# KiCad board servo.kicad_pcb (continued)
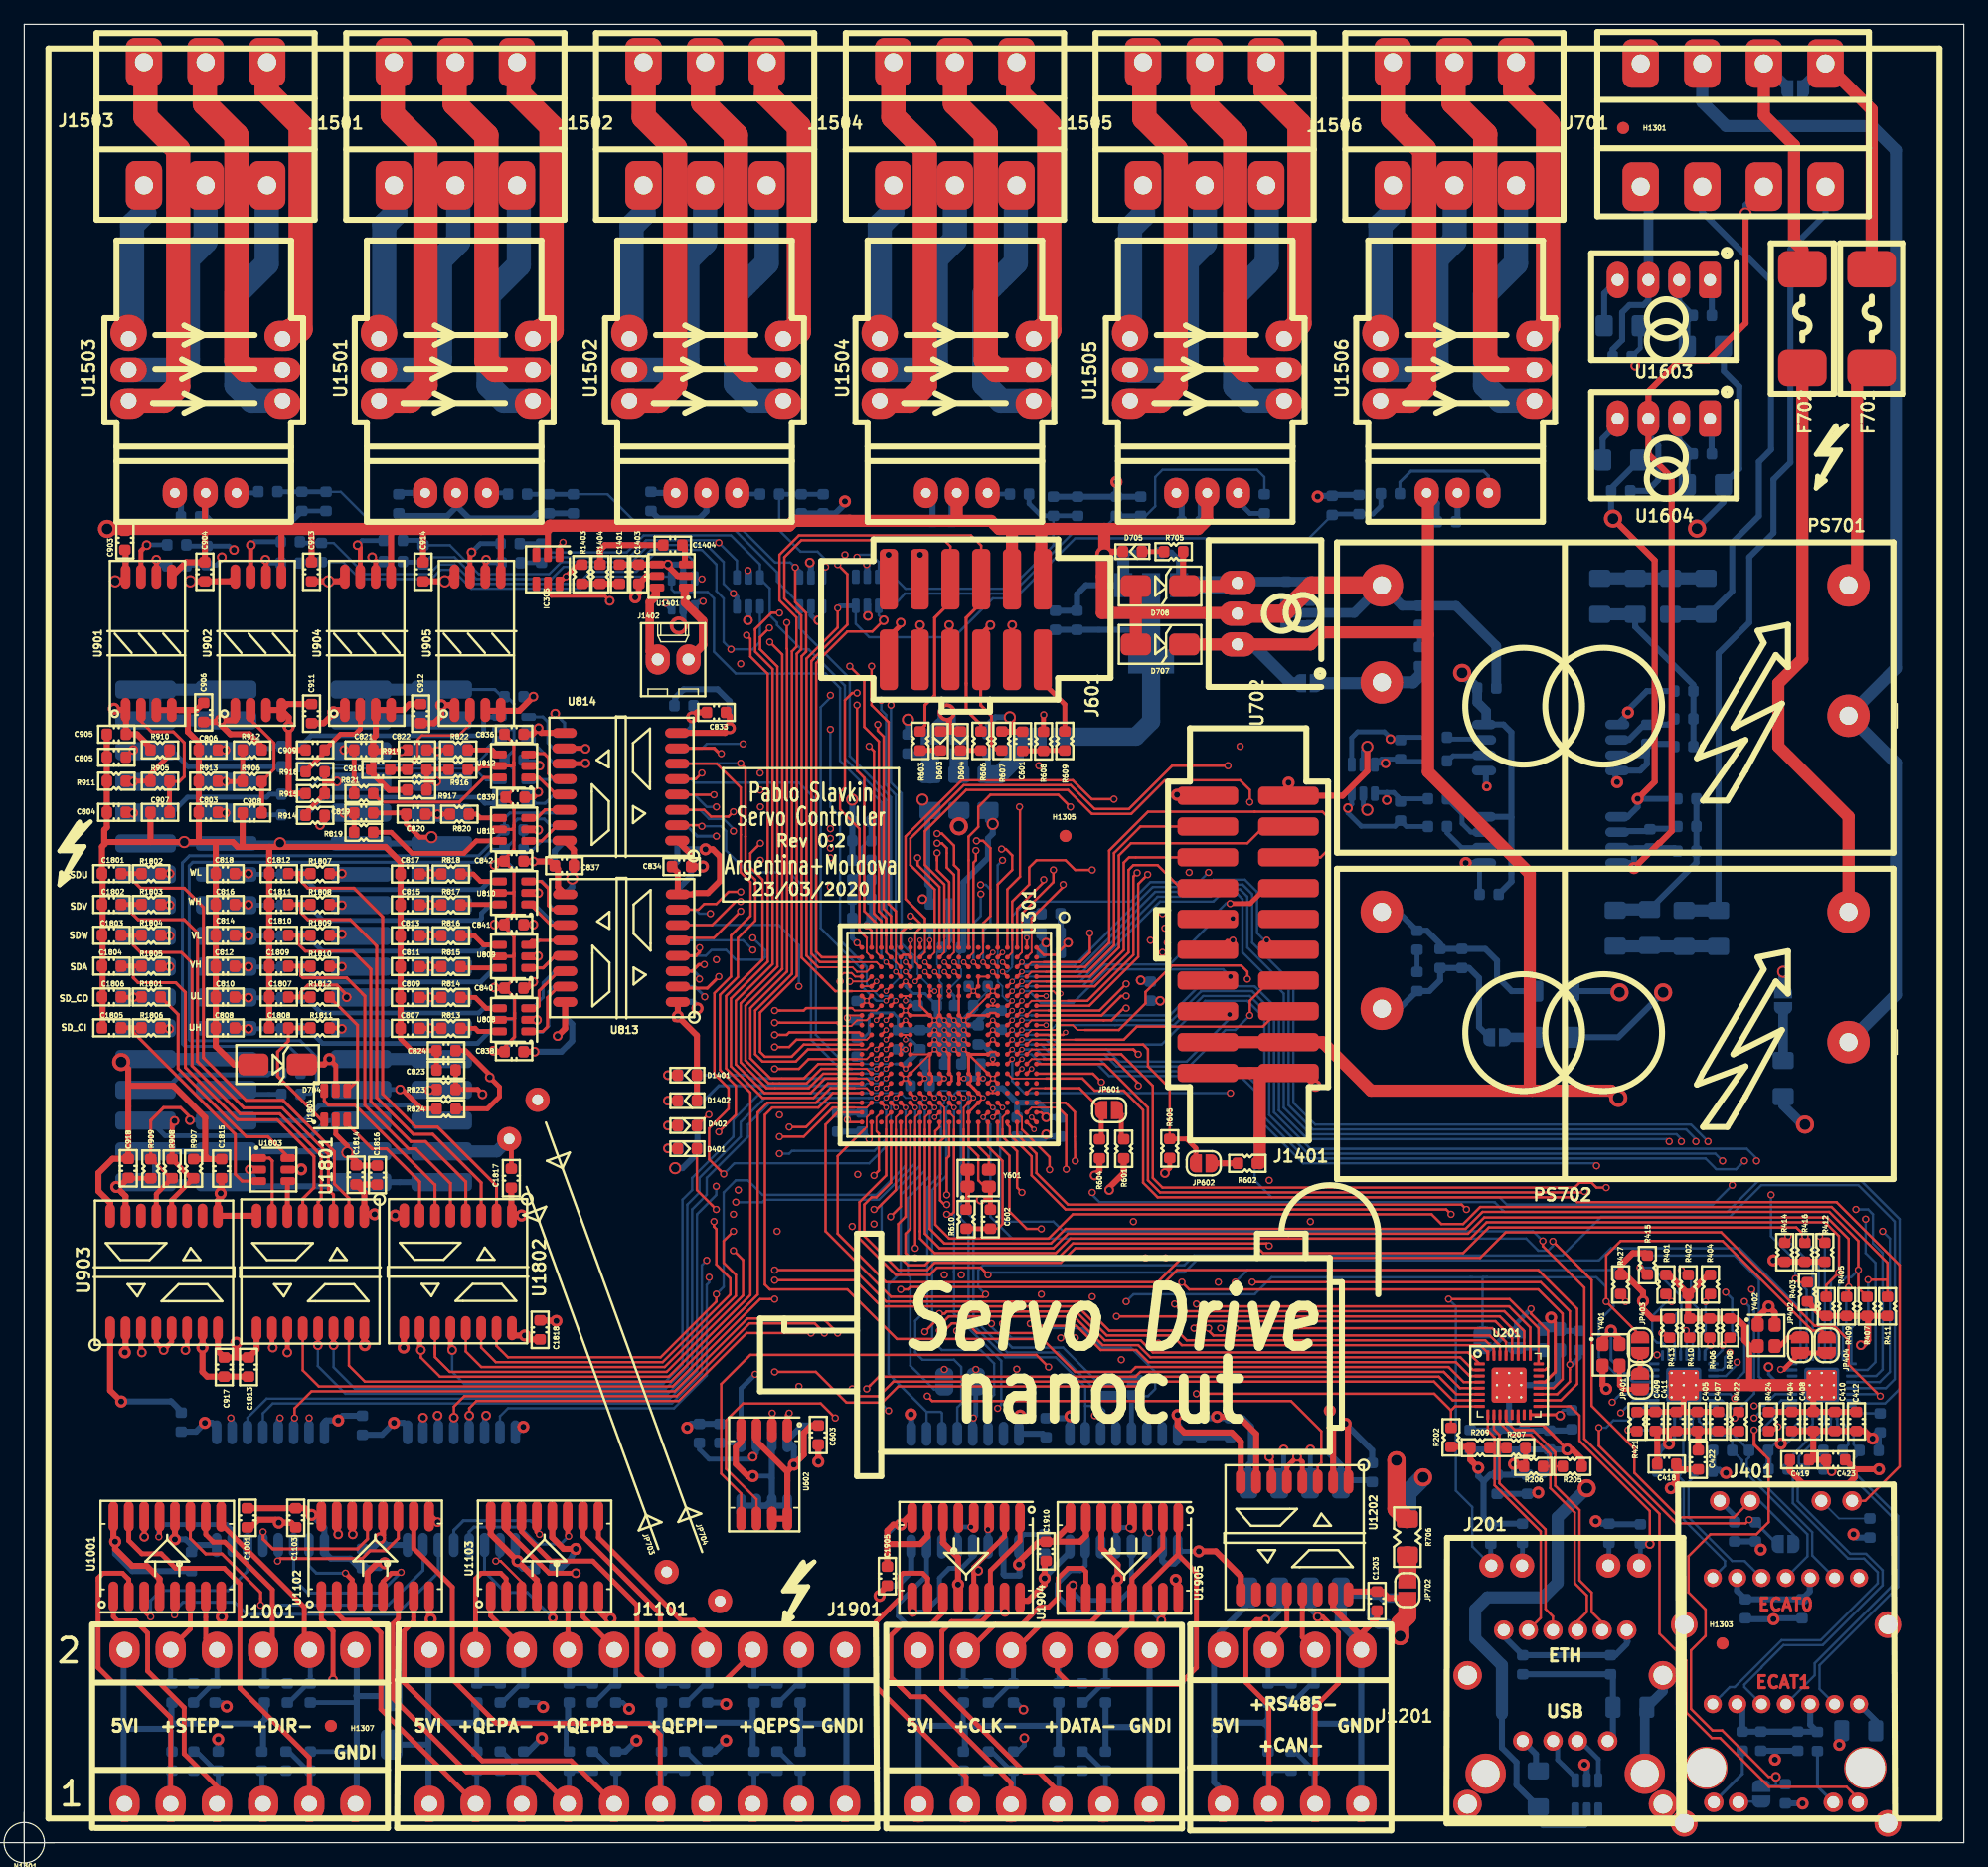
[diagram p0: board, top side]
## Routing (per net, layer and track width the routed paths; a pad name or vN(x,y) marks a point on that pad's centre or on a via; arc(x,y) is an arc through that point) (continued)
/lem/LemAV_6: length 21.8
  Bottom w2: U1501.6 39.58,118.96 38.3,120.24 38.3,127.64 40.8,130.14 40.8,136.56 J1501.6
/lem/LemB_All_1: length 31.9
  Top w2: J1506.3 112.9,146.87 112.9,142.24 115.5,139.64 115.5,120.14 114.32,118.96 U1506.1
/lem/LemB_All_2: length 20.1
  Bottom w2: U1506.2 115.88,121.5 116.5,122.12 116.5,130.64 118,132.14 118,136.7 J1506.5
/lem/LemB_All_3: length 13.1
  Bottom w2: J1506.4 112.9,136.71 112.9,134.44 111.88,133.42 U1506.3
/lem/LemB_All_4: length 24.4
  Top w2: U1506.4 125.7,125.16 125.7,141.74 123,144.44 123,144.84 123.06,144.9 J1506.1
/lem/LemB_All_5: length 30.1
  Top w2: J1506.2 117.9,146.79 117.9,143.54 120.52,140.92 120.52,122.28 121.3,121.5 U1506.5
/lem/LemB_All_6: length 22.1
  Bottom w2: J1506.6 123.06,130.26 120.5,127.7 120.5,120.24 121.78,118.96 U1506.6
/lem/LemBU_1: length 32
  Top w2: J1504.3 71.7,146.87 71.7,142.34 74.3,139.74 74.3,120.24 73.02,118.96 U1504.1
/lem/LemBU_2: length 20.1
  Bottom w2: J1504.5 76.77,132.21 75.2,130.64 75.2,122.13 74.57,121.5 U1504.2
/lem/LemBU_3: length 13.1
  Bottom w2: U1504.3 70.57,133.41 71.6,134.44 71.6,136.62 J1504.4
/lem/LemBU_4: length 24.8
  Top w2: U1504.4 84.02,124.78 84.56,124.78 84.56,141.68 82,144.24 82,146.73 J1504.1
/lem/LemBU_5: length 29.9
  Top w2: J1504.2 76.77,143.47 79.32,140.92 79.32,122.32 80.14,121.5 U1504.5
/lem/LemBU_6: length 22.1
  Bottom w2: U1504.6 80.58,118.96 79.2,120.34 79.2,127.74 81.8,130.34 81.8,136.66 J1504.6
/lem/LemBV_1: length 32.1
  Top w2: J1505.3 92.4,146.77 92.4,142.24 95,139.64 95,120.24 93.72,118.96 U1505.1
/lem/LemBV_2: length 20.2
  Bottom w2: J1505.5 97.4,136.69 97.4,131.94 95.9,130.44 95.9,122.17 95.17,121.44 91.29,121.44 U1505.2
/lem/LemBV_3: length 13.1
  Bottom w2: J1505.4 92.3,134.24 91.23,133.17 U1505.3
/lem/LemBV_4: length 24.5
  Top w2: U1505.4 105.2,125.31 105.2,141.74 102.4,144.54 102.4,146.82 J1505.1
/lem/LemBV_5: length 30.1
  Top w2: J1505.2 97.2,146.7 97.2,143.54 99.9,140.84 99.9,122.34 100.74,121.5 U1505.5
/lem/LemBV_6: length 22.2
  Bottom w2: U1505.6 101.08,118.96 99.9,120.14 99.9,127.64 102.5,130.24 102.5,136.67 J1505.6
/qep/QEP1_A_H: length 7.4
  Top w0.4: v5(26.5,22.24) 27.05,21.69 U1102.3
  Bottom w0.25: 23.5,24.56 23.5,22.85 24.1,22.24 v5(26.5,22.24)
/qep/QEP1_A_N_H: length 32.8
  Top w0.4: U1102.1 24.51,18.44 25.22,17.73 25.22,17.72 25.47,17.47 v4(25.47,13.44)
  In2.Cu w0.4: J1101.3a 41.04,3.46 34.26,10.24 28.67,10.24 v4(25.47,13.44)
  Bottom w0.4: 39.12,7.53 39.32,7.53 ; R1102.2 39.41,7.53 40.99,5.95 R1103.1 41.2,3.37 J1101.3a 40.89,3.35
/qep/QEP1_A_P_H: length 27.5
  Top w0.4: J1101.2a 29.42,11.02 29.42,17.31 28.38,18.35 26.39,18.35 25.78,18.96 U1102.2
  Bottom w0.4: R1102.1 R1101.2 37.34,3.31 J1101.2a
/qep/QEP1_B_H: length 17.6
  Top w0.4: 29.59,19.82 29.59,21.33 ; U1102.5 29.59,21.53 30.3,22.24 31.01,22.24 v5(31.08,22.32)
  Bottom w0.25: v5(31.08,22.32) 29.37,20.6 23.4,20.6 22.22,21.78 U1101.3
/qep/QEP1_B_N_H: length 34.4
  Top w0.4: J1101.5a 45.11,6.76 37.78,6.76 31.34,13.2 31.34,17.48 32.13,18.27 U1102.7
  Bottom w0.4: R1105.2 47.01,7.53 48.59,5.95 R1106.1 48.8,3.35 J1101.5a 48.51,3.35 ; 46.61,7.53 46.81,7.53
/qep/QEP1_B_P_H: length 31.3
  Top w0.4: U1102.6 30.86,18.5 30.4,18.04 30.4,11.94 36.5,5.84 42.22,5.84 J1101.4a
  Bottom w0.4: 44.7,3.35 J1101.4a 44.96,3.31 R1104.2 R1105.1
/qep/QEP1_I_H: length 13.9
  Top w0.25: v5(20.9,23.24) 21.1,23.44 27.88,23.44 28.52,24.09 29.84,24.09 30.86,25.11 30.86,26.92
  Bottom w0.25: U1101.4 20.9,24.51 v5(20.9,23.24)
/qep/QEP1_I_N_H: length 44.2
  Top w0.4: v4(34.1,26.44) 33.4,27.14 33.4,27.17 33.42,27.15
  In2.Cu w0.4: J1101.7a 56.28,4.86 55.1,6.04 49.7,6.04 45.1,10.64 45.1,11.64 42.9,13.84 42.9,17.36 41.42,18.84 38.3,18.84 34.9,22.24 34.9,25.64 v4(34.1,26.44)
  Bottom w0.4: 54.36,7.53 54.56,7.53 ; R1108.2 54.61,7.53 56.19,5.95 R1109.1 56.39,3.31 J1101.7a 56.13,3.35
/qep/QEP1_I_P_H: length 44.4
  Top w0.4: U1102.10 32.13,24.27 35.31,21.09 35.31,13.49 38.96,9.84 51.5,9.84 52.47,8.87 J1101.6a
  Bottom w0.4: J1101.6a 52.58,3.31 R1107.2 R1108.1
/qep/QEP1_S_H: length 12.8
  Top w0.25: 28.32,26.92 28.32,25.06 27.5,24.24 20.5,24.24 19.7,25.04 v5(19.7,25.64)
  Bottom w0.25: U1101.5 19.67,24.57 19.67,24.86 v5(19.7,25.64)
/qep/QEP1_S_N_H: length 62.5
  Top w0.4: 25.78,26.16 U1102.15 25.78,25.56 v4(25.9,25.44)
  In2.Cu w0.4: v4(25.9,25.44) 25.9,26.64 27.2,27.94 37.95,27.94 45.65,20.24 49.3,20.24 50.56,18.98 50.56,13.38 53.3,10.64 58.37,10.64 63.9,5.11 J1101.9a
  Bottom w0.4: R1111.2 62.21,7.53 63.79,5.95 R1112.1 64.01,3.31 J1101.9a
/qep/QEP1_S_P_H: length 56.6
  Top w0.4: v4(27.1,25.44) 27.05,25.49 U1102.14 27.05,26.34
  In2.Cu w0.4: J1101.8a 60.09,3.46 55.5,8.05 53.49,8.05 51.9,9.64 48.7,9.64 46.7,11.64 46.7,17.34 44,20.04 39.3,20.04 36.5,22.84 36.5,25.84 35.1,27.24 28.5,27.24 27.1,25.84 v4(27.1,25.44)
  Bottom w0.4: 59.94,3.35 J1101.8a 60.2,3.31 R1110.2 R1111.1
/qep/QEP2_A_H: length 5.7
  Top w0.2: U1103.3 41.02,21.52 39.3,23.24 v5(38.9,23.24)
  Bottom w0.2: v5(38.9,23.24) 39.24,23.58 U1104.2
/qep/QEP2_A_N_H: length 10.6
  Top w0.4: U1103.1 38.48,18.72 41.04,16.16 J1101.3b
  Bottom w0.4: J1101.3b 41.2,15.75 R1124.1 41,13.14 39.43,11.57 R1123.2
/qep/QEP2_A_P_H: length 15.2
  Top w0.4: J1101.2b 37.23,21.77 37.7,22.24 39.3,22.24 39.75,21.79 U1103.2
  Bottom w0.4: J1101.2b 37.34,15.8 R1122.2 R1123.1
/qep/QEP2_B_H: length 11.1
  Top w0.4: v6(43.6,18.54) 43.56,19.02 U1103.5
  Bottom w0.25: v6(43.6,18.54) 41.5,20.64 39.7,20.64 37.97,22.37 U1104.3 ; 43.5,18.64 43.7,18.64
/qep/QEP2_B_N_H: length 10.6
  Top w0.4: U1103.7 46.1,18.64 48.66,16.08 J1101.5b
  Bottom w0.4: J1101.5b 48.8,15.77 R1121.1 48.6,13.14 47.03,11.57 R1120.2
/qep/QEP2_B_P_H: length 8.9
  Top w0.4: J1101.4b 44.85,20.05 U1103.6
  Bottom w0.4: R1120.1 R1119.2 44.96,15.8 J1101.4b
/qep/QEP2_I_H: length 12.2
  Top w0.4: v5(44.91,25.29) 44.83,25.36 U1103.11
  Bottom w0.25: v5(44.91,25.29) 44.26,24.64 42.3,24.64 40.9,26.04 37.1,26.04 36.7,25.64 U1104.4
/qep/QEP2_I_N_H: length 20.9
  Top w0.4: J1101.7b 56.28,17.26 55.2,18.34 54.2,18.34 47.37,25.17 U1103.9
  Bottom w0.4: J1101.7b 56.39,15.8 R1118.1 56.2,13.14 54.63,11.57 R1117.2
/qep/QEP2_I_P_H: length 18.6
  Top w0.4: J1101.6b 52.47,18.89 46.1,25.26 U1103.10
  Bottom w0.4: J1101.6b 52.58,15.8 R1116.2 R1117.1
/qep/QEP2_S_H: length 11.2
  Top w0.25: 42.21,27.09 U1103.13
  Top w0.4: v5(42.5,25.44) 42.29,25.65 U1103.13
  Bottom w0.25: U1104.5 35.43,25.77 36.22,26.56 41.78,26.56 42.5,25.84 v5(42.5,25.44)
/qep/QEP2_S_N_H: length 35.1
  Top w0.4: v4(45.5,22.24) 43.3,22.24 39.75,25.79 U1103.15
  In2.Cu w0.4: J1101.9b 63.9,16.16 61.82,18.24 53.1,18.24 49.1,22.24 v4(45.5,22.24)
  Bottom w0.4: J1101.9b 64,15.81 64,13.14 63.8,13.14 62.23,11.57 R1114.2
/qep/QEP2_S_P_H: length 34.8
  Top w0.4: U1103.14 41.02,25.67 43.45,23.24 46.9,23.24 50.55,19.59 50.55,14.02 51.2,13.37 57.8,13.37 60.09,15.66 J1101.8b
  Bottom w0.4: R1114.1 R1113.2 60.2,15.8 J1101.8b
/step_dir/DIR1_A_N_H: length 38.8
  Top w0.4: U1001.15 8.62,24.92 9.7,23.84 11.3,23.84 12.5,22.64 16.5,22.64 17.79,21.35 17.79,12.75 23.52,7.03 J1001.5a
  Bottom w0.4: R1005.2 21.81,7.53 23.39,5.95 R1006.1 23.6,3.29 J1001.5a
/step_dir/DIR1_A_P_H: length 34.7
  Top w0.4: v4(9.9,25.24) 9.89,25.25 U1001.14
  In2.Cu w0.4: v4(9.9,25.24) 9.9,24.04 11.9,22.04 15.1,22.04 17.79,19.35 17.79,12.75 19.7,10.84 J1001.4a
  Bottom w0.4: J1001.4a 19.6,3.31 R1004.2 R1005.1
/step_dir/DIR2_A_N_H: length 19.6
  Top w0.4: U1001.9 16.25,26.29 23.1,19.43 23.1,16.32 J1001.5b
  Bottom w0.4: J1001.5b 23.6,15.82 R1009.1 23.4,13.14 21.83,11.57 R1008.2
/step_dir/DIR2_A_P_H: length 19.1
  Top w0.4: U1001.10 14.97,25.43 15.6,24.8 16.54,24.8 20.47,20.87 20.47,16.67 J1001.4b
  Bottom w0.4: R1008.1 R1007.2 19.81,15.8 J1001.4b
/step_dir/STEP1_N_H: length 26.7
  Top w0.4: 7.36,20.05 7.36,18.65 7.7,18.3 9.17,18.3 10.18,17.29 10.18,14.16 13.2,11.14 13.2,7.34 15.89,4.65 J1001.3a
  Bottom w0.4: J1001.3a 16,3.31 R1003.1 15.79,5.95 14.21,7.53 R1002.2
/step_dir/STEP1_P_H: length 32.9
  Top w0.4: 6.1,21.64 6.1,14.45 7.3,13.24 9.16,13.24 12.08,10.31 J1001.2a ; 8.62,21.37 U1001.2 8.62,21.72 8.1,22.24 6.5,22.24 6.1,21.84 6.1,21.64
  Bottom w0.4: J1001.2a 12,3.29 12,5.95 R1002.1
/step_dir/STEP2_N_H: length 10.5
  Top w0.152: 16.38,16.39 J1001.3b
  Top w0.4: U1001.7 14.97,16.83 J1001.3b
  Bottom w0.4: R1011.2 14.03,11.57 15.6,13.14 R1012.1 15.89,13.29 J1001.3b
/step_dir/STEP2_P_H: length 9.4
  Top w0.4: J1001.2b 12.08,16.02 13.7,17.64 U1001.6
  Bottom w0.4: R1010.2 R1011.1 ; 12.19,13.17 12.08,13.28 J1001.2b
/uc_adc/ADC_REFH: length 20.7
  Top w0.152: U301.W5 U301.V5
  Top w0.2: v5(69.5,75.64) 69.9,75.24 U301.V1 ; U301.V5 v2(70.31,71.05) ; U301.R1 72.3,75.04
  Top w0.25: v5(73.1,75.64) 72.9,75.64 72.3,75.04
  In3.Cu w0.5: v5(69.5,75.64) 69.51,75.65 73.09,75.65 v5(73.1,75.64)
  Vcc.Cu w0.5: v2(70.31,71.05) 70.22,71.05 69.5,71.77 v5(69.5,75.64) 69.5,74.64
  Bottom w0.4: v5(69.5,75.64) 69.5,75.85 C301.1 C302.1 R302.1 R301.1
/uc_clk_dbg/F2838x_CLK: length 4.3
  Top w0.2: U301.G19 78.7,57.45 79.58,56.58 Y601.3
/uc_clk_dbg/MCU_TCK: length 66.7
  Top w0.152: U301.V15 69.5,63.04 68.7,63.04
  Top w0.2: 68.7,63.04 66.04,63.04 64.88,61.85 64.88,61.84 61.07,61.84 58.7,64.21 58.7,69.44 61.73,72.47 61.73,96.81 60.3,98.24 60.29,100.01 60.29,100.11 61.65,101.47 v5(62.3,101.44)
  Top w0.4: v4(72.3,100.64) 72.3,100.44 71.32,99.46 J601.1
  In2.Cu w0.2: v4(72.3,100.64) 71.66,100 64.74,100 63.3,101.44 v5(62.3,101.44)
/uc_clk_dbg/MCU_TDI: length 61.7
  Top w0.2: v5(62.9,100.64) 62.9,98.5 62.93,98.47 62.93,71.87 59.9,68.84 59.9,64.7 61.56,63.04 62.47,63.04 64.3,63.04 65.5,64.24 U301.W13 ; v4(73.9,100.44) 73.86,100.4 J601.3
  In2.Cu w0.2: v4(73.9,100.44) 73.9,100.24 73.3,99.64 63.7,99.64 62.9,100.44 v5(62.9,100.64)
/uc_clk_dbg/MCU_TDO: length 75.8
  Top w0.2: v5(59.6,99.6) 59.9,99.3 59.9,98.44 59.9,97.84 61.33,96.41 61.33,72.67 58.3,69.64 58.3,64.04 60.9,61.44 65.1,61.44 66.3,62.64 U301.W15 ; 81.48,100.42 v4(81.5,100.44)
  Top w0.4: J601.9 81.48,100.42
  In2.Cu w0.2: v4(81.5,100.44) 81.5,99.64 80.1,98.24 61.1,98.24 59.74,99.6 v5(59.6,99.6)
/uc_clk_dbg/MCU_TMS: length 67.5
  Top w0.2: v5(61.47,100.21) 60.7,99.44 60.7,98.44 60.7,98.44 62.13,97.01 62.13,72.27 59.1,69.24 59.1,64.37 61.23,62.24 64.71,62.24 65.91,63.44 U301.W14 ; 76.4,100.34 v4(76.3,100.44)
  Top w0.4: J601.5 76.4,100.34
  In2.Cu w0.2: v4(76.3,100.44) 76.3,100.04 75.5,99.24 62.7,99.24 61.73,100.21 v5(61.47,100.21)
/uc_clk_dbg/MCU_TRSTn: length 78.7
  Top w0.152: 68.3,63.84 69.5,63.84 U301.V14
  Top w0.2: v5(61.5,99.04) 62.53,98.01 62.53,72.07 ; 62.53,72.07 62.5,72.04 ; 62.53,72.07 59.5,69.04 59.5,64.54 61.4,62.64 62.3,62.64 64.54,62.64 65.74,63.84 68.3,63.84
  Top w0.25: J601.7 78.9,98.33 78.9,93.84 79.79,92.95 79.79,90.55 80.24,90.1 R607.1
  Top w0.4: J601.7 78.94,99.68 v4(79.7,100.44)
  In2.Cu w0.2: v4(79.7,100.44) 78.06,98.8 61.74,98.8 v5(61.5,99.04)
/uc_clk_dbg/MCU_XRSn: length 12.1
  Top w0.2: C602.1 80.31,50.65 80.7,51.04 80.7,56.24 79.5,57.44 U301.F19
  Top w0.4: C602.1 R610.2
/ui/speaker+: length 6.5
  Top w0.5: 52.1,103.44 U1401.6
  Top w0.7: J1402.2 51.6,98.26 51.6,102.34 52.1,102.84 52.1,103.44
/ui/speaker-: length 7.1
  Top w0.6: 54.5,103.44 U1401.1
  Top w0.7: J1402.1 56,98.8 56,100.8 54.5,102.3 54.5,103.44
BOOT1: length 9.5
  Top w0.152: 84.2,62.24 83.1,62.24 U301.B16
  Top w0.2: 84.2,62.24 87.05,62.24 JP601.1
  Top w0.4: JP601.1 88.85,58.18 R604.2
BOOT2: length 21
  Top w0.2: 94.5,58.29 94.5,62.24 92.7,64.04 92.7,65.44 92.3,65.84 U301.A11
  Top w0.4: JP602.1 96.65,57.29 95.89,58.05 R605.2
BRK_MEC1: length 38.2
  Top w0.2: U301.U13 v2(70.3,63.84)
  Bottom w0.2: U802.4 55.03,87.71 55.3,87.44 63.9,87.44 65.3,86.04 65.3,66.64 68.1,63.84 v2(70.3,63.84)
BRK_MEC1_H: length 11.9
  Top w0.25: C804.2 8.95,84.99 v4(9,84.94)
  Bottom w0.152: J1704.25 10.7,84.85 10.7,84.74
  Bottom w0.4: R809.2 20.24,86.49 20,86.24 13.47,86.24 12.19,84.96 J1704.25
BRK_MEC2: length 34.4
  Top w0.2: U301.T13 v2(71.1,63.84) ; v5(55.9,83.84) 55.81,83.93 U814.2
  Bottom w0.152: 69.5,63.46 70.7,63.44 v2(71.1,63.84)
  Bottom w0.2: 69.5,63.46 67.68,63.46 64.9,66.24 64.9,78.24 63.1,80.04 59.7,80.04 57.9,81.84 57.9,83.44 57.5,83.84 v5(55.9,83.84)
BRK_MEC2_H: length 2.2
  Top w0.25: C819.2 26.6,84.94
  Top w0.4: C819.2 R819.1
  vias: v4(26.4,84.94)
BRK_RES1: length 45.3
  Top w0.152: U301.C2 82.3,73.44 82.3,75.24
  Top w0.2: v5(84.9,80.24) 84.9,79.24 82.3,76.64 82.3,75.24
  In2.Cu w0.2: v5(84.9,80.24) 84.9,81.04 78.7,87.24 65.9,87.24 62.9,84.24 57.7,84.24 57.1,84.84 v5(57.1,85.44)
  Bottom w0.2: v5(57.1,85.44) 56.3,85.44 55.3,86.44 U802.5
BRK_RES1_H: length 7.3
  Top w0.25: v4(16.6,84.94) 16.55,84.99 C803.2
  Bottom w0.152: J1704.26 15.94,85.04 17.1,85.04
  Bottom w0.4: R810.2 16.04,84.79 J1704.26
BRK_RES2: length 43
  Top w0.2: v5(58.5,85.04) 58.1,84.64 56.65,84.64 56.09,85.2 U814.3 ; U301.D1 81.1,78.64 82.15,79.68 82.15,85.4 v5(82.1,85.44)
  In2.Cu w0.2: v5(58.5,85.04) 59.7,86.24 62.9,86.24 64.7,88.04 79.5,88.04 v5(82.1,85.44)
BRK_RES2_H: length 2
  Top w0.4: R820.1 v4(34.1,84.84) C820.2
CAN_RX: length 68.7
  Top w0.2: U301.T11 v2(71.1,65.44)
  In2.Cu w0.152: 83.7,65.04 79.1,65.04
  In2.Cu w0.2: v5(102.7,54.64) 101.7,53.64 91.9,53.64 86.3,59.24 86.3,62.44 83.7,65.04 ; 79.1,65.04 77.9,63.84 74.5,63.84 73.86,64.48 72.26,64.48 71.3,65.44 v2(71.1,65.44)
  In3.Cu w0.2: 103.9,32.64 103.9,53.44 v5(102.7,54.64)
  Bottom w0.2: 103.53,29.9 103.9,30.27 103.9,32.64
  Bottom w0.4: v4(103.9,32.44) 103.9,30.01 U1201.2
CAN_TX: length 78.5
  Top w0.2: U301.U11 v2(70.3,65.44)
  In2.Cu w0.2: v5(70.1,51.04) 70.7,51.04 70.9,50.84 75.5,50.84 76.3,50.04 97.9,50.04 99.1,51.24 v5(106.1,51.24)
  In3.Cu w0.2: v5(70.1,51.04) 69.9,51.04 69.3,51.64 69.3,52.84 71.1,54.64 71.1,58.24 69.5,59.84 69.5,65.04 69.9,65.44 v2(70.3,65.44) ; v4(106.1,32.44) v5(106.1,51.24)
  Bottom w0.2: 106.07,29.9 106.1,29.93 v4(106.1,32.44)
  Bottom w0.4: U1201.3 106.1,29.67 v4(106.1,32.44)
DACB_DBG: length 77.8
  Top w0.2: U301.T1 71.5,76.44 70.9,77.04 70.9,91.24 70.41,91.73 v5(70.41,92.24)
  Top w0.25: v5(44.44,107.27) 44.15,106.98 44.15,106.14
  Top w0.4: R608.1 84.09,93.03 v5(84.1,93.04)
  In2.Cu w0.2: v5(44.44,107.27) 45.27,106.44 58.5,106.44 59.1,107.04 66.9,107.04 v5(67.7,106.24) ; v5(70.41,92.24) 70.5,92.24 71.9,90.84 82.7,90.84 84.1,92.24 v5(84.1,93.04)
  In3.Cu w0.2: v5(70.41,92.24) 68.9,92.24 67.3,93.84 67.3,98.04 67.9,98.64 67.9,106.04 v5(67.7,106.24)
DACB_DBG_OUT: length 7.4
  Top w0.4: 85.84,91.74 85.84,93.9 84.02,95.72 J601.11
DIR1: length 90.7
  Top w0.152: U301.C18 82.3,59.84 82.3,58.84
  Top w0.2: 82.3,58.84 84.58,56.56 v5(84.58,55.52)
  In2.Cu w0.2: 83.9,45.08 83.26,44.44 74.9,44.44 73.9,43.44 61.47,43.44 55.87,37.84 18.3,37.84 17.04,36.58 17.04,35.31
  In3.Cu w0.2: v5(84.58,55.52) 84.7,55.4 84.7,46.04 v5(83.9,45.24)
  Bottom w0.152: 17.14,35.2 U1101.10
  Bottom w0.4: U1101.10 17.14,34.93 v5(17.04,35.04)
DIR1_H: length 10.2
  Top w0.152: 11.2,27.12 U1001.13
  Top w0.4: v5(11.1,25.24) 11.17,25.3 U1001.13
  Bottom w0.4: v5(11.1,25.24) 11.1,25.84 11.5,26.24 16.7,26.24 17.14,25.8 U1101.7
DIR2: length 81.7
  Top w0.152: U301.A17 85.27,61.04
  Top w0.2: 85.27,61.04 85.9,61.04 86.67,60.27 86.67,58.24 v5(86.7,56.24)
  In2.Cu w0.2: v5(86.7,41.64) 85.9,42.44 83.7,42.44 82.1,40.84 60.7,40.84 56.5,36.64 34.47,36.64 v4(32.9,35.07)
  In3.Cu w0.2: v5(86.7,56.24) 86.67,41.67 v5(86.7,41.64)
  Bottom w0.152: 32.9,35.04 32.89,35.05 U1104.10
  Bottom w0.4: v4(32.9,35.07) 32.89,35.06 U1104.10
DIR2_H: length 27.4
  Top w0.25: U1001.11 13.7,25.09 14.97,23.83 16.32,23.83 19.5,20.64 v5(19.5,19.6)
  Bottom w0.25: U1104.7 32.89,22.48 30.01,19.6 v5(19.5,19.6)
Earth: length 158.7
  GND.Cu w0.4: J401.24 153.75,17.99 154.5,17.24
  GND.Cu w0.8: J201.19 119.06,4.2 J201.17 ; J201.20 135.36,3.19
  GND.Cu w1: 119.2,3.04 J201.19 121,1.24 135.1,1.24 ; 135.1,1.24 153.9,1.24 154.5,1.84 154.5,6.04 ; 135.1,1.24 135.19,1.33 J201.20 133.69,4.69 J201.18 134.17,6.18 J401.25 ; 154.5,11.44 154.5,6.04 ; 154.5,11.44 154.5,11.44 J401.7 J401.14 ; 154.5,11.44 154.5,14.44 154.5,14.44 154.5,54.84 151.7,57.64 148.5,57.64 v1(146.9,59.24) ; 154.5,6.04 154.37,6.18 J401.26 ; J201.5 136.94,15.57 J401.23 ; J201.17 120.9,6.04 120.9,11.97 J201.6
  Bottom w0.5: C434.2 152.73,10.06 J401.7
  Bottom w0.8: J201.5 135.18,12.49 133.69,11 J201.18 ; R708.2 145.1,60.84 146.7,59.24 v1(146.9,59.24)
ECAT0_RJ_LED0: length 96.5
  Top w0.2: U301.F18 v2(79.1,59.84) ; J401.20 141.05,26.84 136.5,26.84 132.83,30.51 132.83,32.51 129.3,36.04 129.3,46.41 v5(126.1,49.61)
  Bottom w0.2: v2(79.1,59.84) 79.7,59.24 79.7,51.64 81.5,49.84 123.9,49.84 124.9,48.84 125.7,48.84 126.1,49.24 v5(126.1,49.61) ; 142.74,28.2 J401.20 143.14,28.2 145.95,25.39 JP405.1
ECAT0_RJ_LED1: length 105.4
  Top w0.152: U301.D14 81.5,63.04 84.3,63.04
  Top w0.2: 84.3,63.04 87.3,63.04 88.3,62.04 90.7,62.04 92.3,60.44 92.3,54.44 93.5,53.24 127.7,53.24 128.1,52.84 149.5,52.84 154.7,47.64 154.7,31.04 151.86,28.2 J401.22
ECAT0_RX_CLK: length 81.3
  Top w0.2: 90.7,69.84 v5(90.9,69.84) 90.48,69.84 88.88,68.24 U301.A8
  In2.Cu w0.2: v5(134.7,40.24) 134.3,40.64 94.13,40.64 v5(93.56,41.21)
  In3.Cu w0.2: v5(90.9,69.84) 95.1,65.64 95.1,52.24 93.56,50.7 v5(93.56,41.21)
  Bottom w0.2: v5(134.7,40.24) 134.75,40.19 U402.25
ECAT0_RX_D0: length 93.8
  Top w0.2: U301.C5 v2(82.3,71.04) ; R402.1 136.86,47.24 v5(136.7,47.24)
  In3.Cu w0.2: v5(136.7,57.84) v5(136.7,47.24)
  Bottom w0.2: v5(136.7,47.24) 137.5,46.44 137.5,44.64 138.1,44.04 138.1,42.44 137.65,41.99 U402.30 ; v2(82.3,71.04) 87.1,71.04 93.7,77.64 98.1,77.64 98.7,78.24 100.1,78.24 100.5,77.84 100.5,73.44 103.9,70.04 103.9,60.64 106.1,58.44 136.3,58.44 136.7,58.04 v5(136.7,57.84)
ECAT0_RX_D1: length 95.9
  Top w0.152: R404.1 139.1,45.04 v5(138.7,44.64)
  Top w0.2: U301.D5 v2(81.5,71.04)
  In3.Cu w0.2: v5(138.7,44.64) 138.7,46.64 137.9,47.44 v5(137.9,57.84)
  Bottom w0.152: 83.3,71.44 81.9,71.44 v2(81.5,71.04)
  Bottom w0.2: U402.31 138.15,41.69 138.7,42.24 v5(138.7,44.64) ; v5(137.9,57.84) 137.9,58.04 137.1,58.84 106.3,58.84 104.3,60.84 104.3,70.44 100.9,73.84 100.9,78.04 100.3,78.64 98.5,78.64 97.9,78.04 93.5,78.04 86.9,71.44 83.3,71.44
ECAT0_RX_D2: length 96.3
  Top w0.2: U301.C4 v2(82.3,71.84) ; R406.1 139.1,41.6 v5(139.1,41.04)
  In3.Cu w0.2: v5(139.1,41.04) 139.5,41.44 139.5,47.44 138.5,48.44 138.5,57.44 v5(138.9,57.84)
  Bottom w0.152: 138.7,40.24 U402.32
  Bottom w0.2: v2(82.3,71.84) 86.7,71.84 93.3,78.44 97.7,78.44 98.3,79.04 100.5,79.04 101.3,78.24 101.3,74.24 104.7,70.84 104.7,61.04 106.5,59.24 137.5,59.24 v5(138.9,57.84) ; v5(139.1,41.04) 138.65,40.59 U402.32
ECAT0_RX_D3: length 104.3
  Top w0.152: v5(140.1,41.04) 140.1,41.06
  Top w0.2: U301.D4 v2(80.7,71.84) ; R408.1 140.7,41.64 v5(140.1,41.04)
  In2.Cu w0.2: v5(98.5,46.24) 99.3,45.44 126.3,45.44 128.7,43.04 138.5,43.04 140.1,41.44 v5(140.1,41.04)
  In3.Cu w0.2: v5(97.7,80.04) 98.3,79.44 98.3,47.44 98.5,47.24 v5(98.5,46.24)
  Bottom w0.152: 81.5,72.44 81.5,72.24 81.1,71.84 v2(80.7,71.84)
  Bottom w0.2: v5(97.7,80.04) 96.9,79.24 92.9,79.24 91.3,77.64 82.7,77.64 81.5,76.44 81.5,72.44 ; v5(140.1,41.04) 140.1,40.64 139.34,39.87 U402.1
ECAT0_RX_DV: length 97.5
  Top w0.152: v5(135.9,44.64) 135.43,45.11 R401.1
  Top w0.2: U301.D9 v2(81.5,67.84)
  In3.Cu w0.152: 135.9,55.84 v5(135.9,44.64)
  In3.Cu w0.2: v5(135.9,44.64) 135.9,56.84 135.7,57.04 v5(135.7,57.84)
  Bottom w0.152: 83.1,68.24 81.9,68.24 v2(81.5,67.84)
  Bottom w0.2: 83.1,68.24 94.5,68.24 96.9,70.64 101.5,70.64 103.5,68.64 103.5,60.41 105.87,58.04 135.5,58.04 v5(135.7,57.84) ; U402.26 135.65,40.72 135.13,41.24 134.7,41.24 134.3,41.64 134.3,43.44 135.5,44.64 v5(135.9,44.64)
ECAT0_RX_ER: length 84.2
  Top w0.152: 84.5,68.64 83.1,68.64 U301.B8
  Top w0.2: v5(90.9,70.84) 88.7,68.64 84.5,68.64
  Top w0.4: 133.88,46.87 v5(133.3,47.44)
  In2.Cu w0.2: v5(94.16,48.24) 94.96,47.44 v5(133.3,47.44)
  In3.Cu w0.2: v5(90.9,70.84) 95.5,66.24 95.5,52.04 94.16,50.7 v5(94.16,48.24)
  Bottom w0.2: v5(133.3,47.44) 134.3,47.44 136.7,45.04 136.7,44.04 136.3,43.64 136.3,42.04 136.65,41.69 U402.28
ECAT0_TX_CLK: length 98.3
  Top w0.152: 87.5,67.04 86.9,67.04 86.5,67.44 85.5,67.44 85.1,67.04 83.1,67.04 U301.B10
  Top w0.2: 87.5,67.04 90.3,67.04 92.5,69.24 92.5,70.17 94.69,72.36 100.38,72.36 100.9,71.84 v5(100.9,71.24)
  In2.Cu w0.2: v5(98.7,42.44) 98.7,41.84 99.5,41.04 137.3,41.04 138.1,40.24 140.5,40.24 v5(140.7,40.44)
  In3.Cu w0.2: v5(98.7,42.44) 98.7,43.44 99.1,43.84 99.1,47.64 98.7,48.04 98.7,66.44 98.7,69.46 100.48,71.24 v5(100.9,71.24)
  Bottom w0.2: v5(140.7,40.44) 140.3,40.04 140.3,39.24 140.06,39 U402.2
ECAT0_TX_D0: length 91
  Top w0.2: U301.C10 v2(82.3,67.04)
  In3.Cu w0.2: v5(140.36,45.41) 140.06,45.71 140.06,55.78 v5(140.1,56.24)
  Bottom w0.152: 85.1,67.44 84.7,67.04 v2(82.3,67.04)
  Bottom w0.2: 85.1,67.44 89.97,67.44 94.87,67.44 97.27,69.84 101.1,69.84 102.7,68.24 102.7,60.04 105.9,56.84 139.5,56.84 v5(140.1,56.24) ; v5(140.36,45.41) 140.9,44.87 140.9,42.24 141.9,41.24 141.9,38.84 141.06,38 U402.4
ECAT0_TX_D1: length 95.3
  Top w0.2: U301.D10 v2(81.5,67.04)
  In3.Cu w0.2: v5(141.9,44.64) 141.96,44.7 v5(141.9,56.24)
  Bottom w0.152: v2(81.5,67.04) 81.9,66.64 83.1,66.64
  Bottom w0.2: U402.5 141.56,37.5 142.3,38.24 142.3,44.24 v5(141.9,44.64) ; 83.1,66.64 84.5,66.64 85.3,65.84 93.83,65.84 97.43,69.44 100.9,69.44 102.3,68.04 102.3,59.84 105.7,56.44 138.7,56.44 139.58,55.56 141.22,55.56 v5(141.9,56.24)
ECAT0_TX_D2: length 89.5
  Top w0.152: 85.1,67.84 83.1,67.84 U301.B9
  Top w0.2: v5(90.9,68.84) 90.7,68.84 89.7,67.84 89.04,67.84 85.1,67.84
  In2.Cu w0.2: v5(141.1,36.64) 141.1,37.64 142.1,38.64 142.1,40.44 139.1,43.44 129.1,43.44 126.7,45.84 102.9,45.84 101.7,47.04 93.7,47.04 v5(92.5,48.24)
  In3.Cu w0.2: v5(92.5,48.24) 92.5,58.47 93.1,59.07 93.1,66.64 v5(90.9,68.84)
  Bottom w0.2: v5(141.1,36.64) 140.74,37 U402.6
ECAT0_TX_D3: length 98.2
  Top w0.2: U301.C9 v2(82.3,67.84)
  In3.Cu w0.2: v5(142.5,45.64) 142.5,55.84 v5(142.9,56.24)
  Bottom w0.152: 85.5,67.84 v2(82.3,67.84)
  Bottom w0.2: 142.7,45.44 142.7,37.04 141.5,35.84 140.7,35.84 140.04,36.5 U402.7 ; 142.7,45.44 v5(142.5,45.64) ; 142.7,45.44 142.7,43.75 ; v5(142.9,56.24) 142.9,56.44 142.1,57.24 106.1,57.24 103.1,60.24 103.1,68.44 101.3,70.24 97.1,70.24 94.7,67.84 90.14,67.84 85.5,67.84
ECAT0_TX_EN: length 87.9
  Top w0.2: U301.D12 v2(81.5,65.44)
  In3.Cu w0.2: v5(140.9,54.24) 140.9,53.24 141.1,53.04 141.1,42.44 141.7,41.84 141.7,40.04 v5(141.3,39.64)
  Bottom w0.152: 83.1,65.04 81.9,65.04 v2(81.5,65.44)
  Bottom w0.2: v5(141.3,39.64) 141.3,39.44 140.36,38.5 U402.3 ; v5(140.9,54.24) 139.3,52.64 122.3,52.64 121.7,53.24 102.9,53.24 101.5,54.64 101.5,62.04 100.3,63.24 89.5,63.24 88.5,64.24 83.9,64.24 83.1,65.04
ECAT1_RJ_LED0: length 116.6
  Top w0.2: U301.F17 v2(79.9,60.64) ; J401.18 151.27,3.67 150.33,4.61 143.93,4.61 139.9,8.64 139.21,8.64 137.1,10.75 137.1,15.04 134.9,17.24 134.9,27.12 128.7,33.32 128.7,45.79 125.28,49.21 v5(125.28,49.64)
  Bottom w0.2: v2(79.9,60.64) 80.5,60.04 80.5,51.64 80.9,51.24 84.9,51.24 85.7,50.44 124.47,50.44 v5(125.28,49.64)
ECAT1_RJ_LED1: length 110.8
  Top w0.2: v5(128.7,53.72) 128.62,53.64 93.7,53.64 92.7,54.64 92.7,60.64 89.1,64.24 U301.A13
  In3.Cu w0.2: J401.16 141.41,6.93 137.16,11.18 137.16,14.98 135.1,17.04 135.1,27.42 129.1,33.42 129.1,52.77 128.7,53.17 v5(128.7,53.72)
  Bottom w0.2: JP406.1 141.47,3.39 J401.16
  Bottom w0.25: 141.47,3.28 J401.16
ECAT1_RX_CLK: length 97.7
  Top w0.152: 71.1,58.84 71.1,59.84 U301.T18
  Top w0.2: 71.1,58.84 71.1,55.04 68.9,52.84 68.9,49.84 71.9,46.84 74.7,46.84 75.3,47.44 78.9,47.44 v5(79.5,46.84)
  Bottom w0.2: v5(79.5,46.84) 79.7,47.04 95.7,47.04 96.7,48.04 129.9,48.04 130.9,49.04 141.49,49.04 146.54,44 U403.25
ECAT1_RX_D0: length 106.2
  Top w0.2: U301.N19 73.9,49.84 75.1,48.64 85.1,48.64 86.3,49.84 104.3,49.84 119.3,49.84 120.64,51.18 148.56,51.18 149.7,50.04 v5(149.7,47.04) 148.65,45.99 R405.1
  Bottom w0.152: 149.04,46.24 U403.30
  Bottom w0.2: U403.30 149.04,46.37 ; 149.04,46.37 149.04,46.24 ; 149.04,46.37 v5(149.7,47.04)
ECAT1_RX_D1: length 100.9
  Top w0.2: U301.M19 74.7,50.64 75.9,49.44 84.7,49.44 85.9,50.64 118.9,50.64 120.3,52.04 148.9,52.04 151.3,49.64 v5(151.3,47.24) 151.3,45.75 R407.1
  Bottom w0.2: v5(151.3,47.24) 150.7,46.64 150.3,46.64 149.7,46.04 149.7,43.01 149.54,42.84 U403.31
ECAT1_RX_D2: length 99.3
  Top w0.152: U301.M18 74.3,59.84 74.3,58.84
  Top w0.2: 74.3,58.84 74.3,50.24 75.5,49.04 84.9,49.04 86.1,50.24 119.1,50.24 120.44,51.58 148.73,51.58 150.5,49.81 v5(150.5,45.84) 150.5,45.19 R409.1
  Bottom w0.2: U403.32 150.04,42.57 150.3,42.84 150.3,45.64 v5(150.5,45.84)
ECAT1_RX_D3: length 103.8
  Top w0.2: 153.7,45.84 153.7,47.84 149.1,52.44 120.1,52.44 118.7,51.04 116.9,51.04 116.1,51.84 86.5,51.84 84.5,49.84 76.3,49.84 75.16,50.98 75.16,58.7 75.5,59.04 U301.L19 ; 153.7,45.84 153.7,46.44 v5(152.1,46.44) ; 153.7,45.84 R411.1
  Bottom w0.2: v5(152.1,46.44) 152.1,43.84 150.72,42.46 U403.1
ECAT1_RX_DV: length 97.5
  Top w0.2: U301.T17 v2(71.9,60.64) ; 146.19,46.61 v5(146.11,46.53) 146.42,46.23 R403.1
  In2.Cu w0.152: 81.45,63.84 81.85,64.24 83.9,64.24 84.1,64.04
  In2.Cu w0.2: v5(144.1,53.44) 136.1,53.44 135.5,52.84 127.7,52.84 127.3,53.24 91.7,53.24 85.9,59.04 85.9,62.24 84.1,64.04 ; 81.45,63.84 78.7,63.84 78.3,63.44 78.3,62.64 77.9,62.24 73.1,62.24 72.7,61.84 72.7,61.44 v2(71.9,60.64)
  Bottom w0.2: v5(144.1,53.44) 144.1,50.04 146.11,48.03 v5(146.11,46.53) 147.04,45.61 U403.26
